# Altium PCB pcb.PcbDoc (part 1 of 2)
Units mil, origin at the board's own origin, x right, y up, seen from the top; angles counter-clockwise.
Board outline 3346.46 x 3937.01 mil, 2 copper layers (Top Layer, Bottom Layer), stack 62.179 mil thick; 275 components, 203 nets, 879 pads, 214 vias.
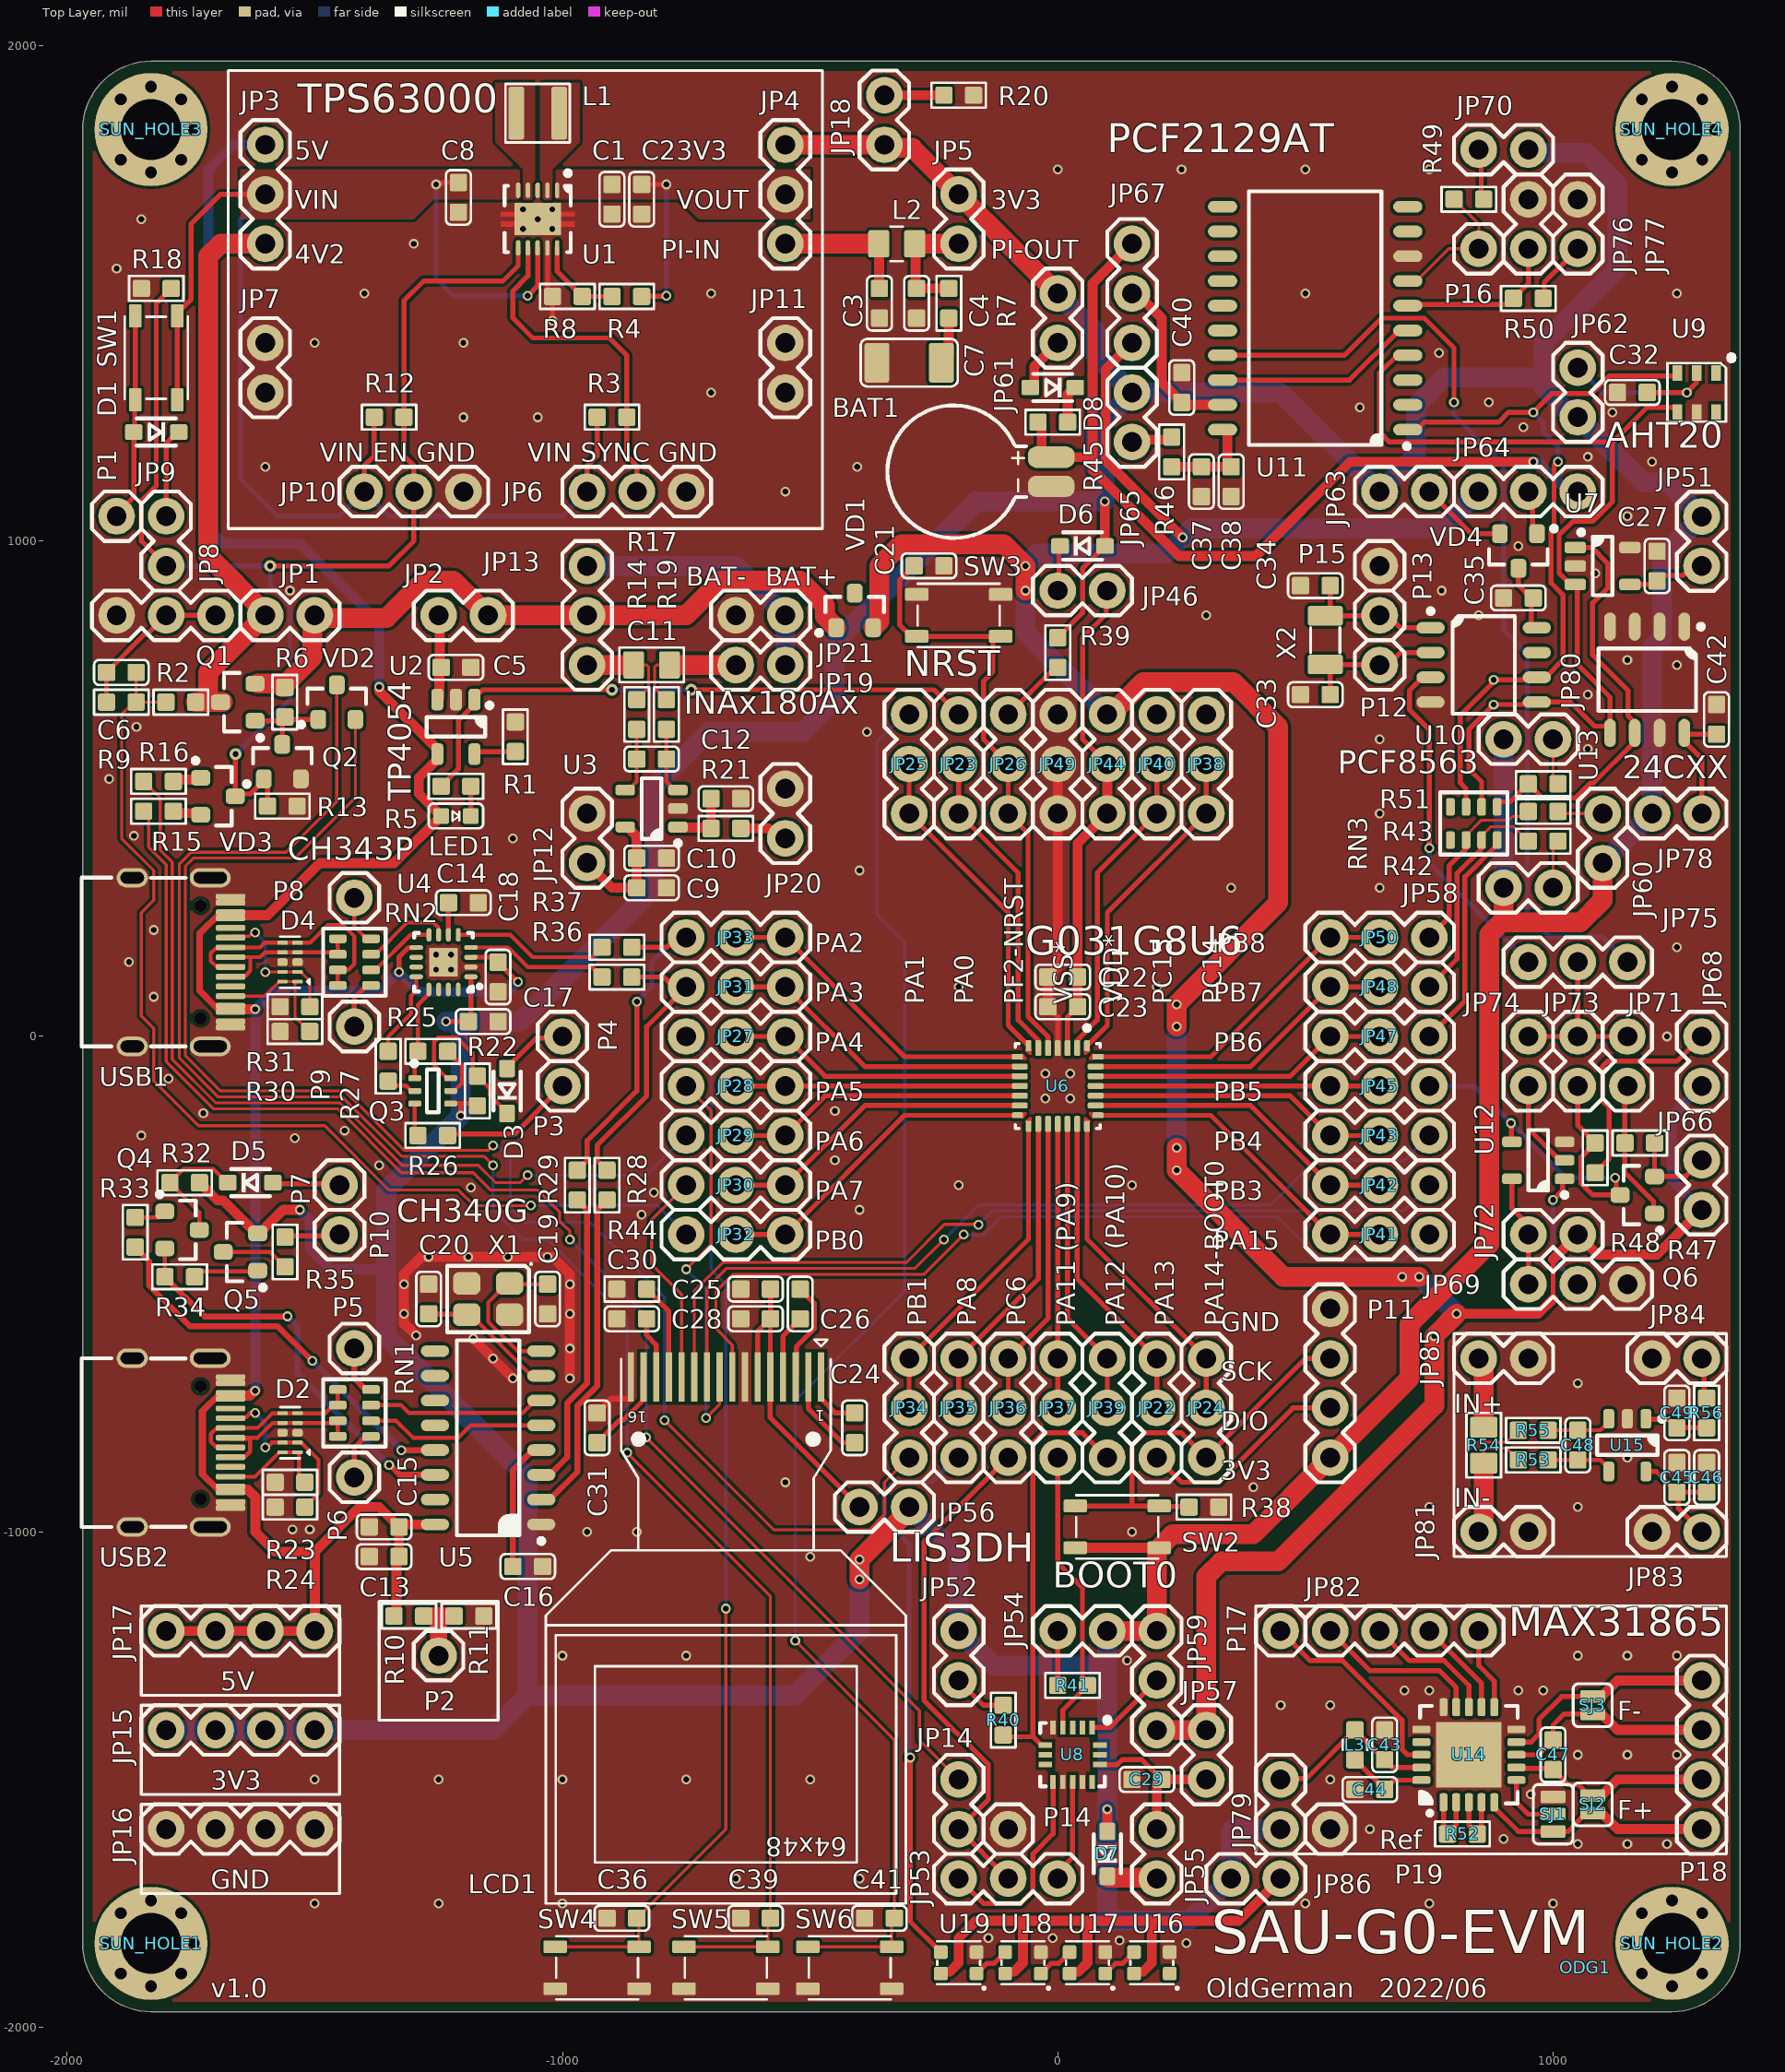
[diagram p0: Top Layer view]
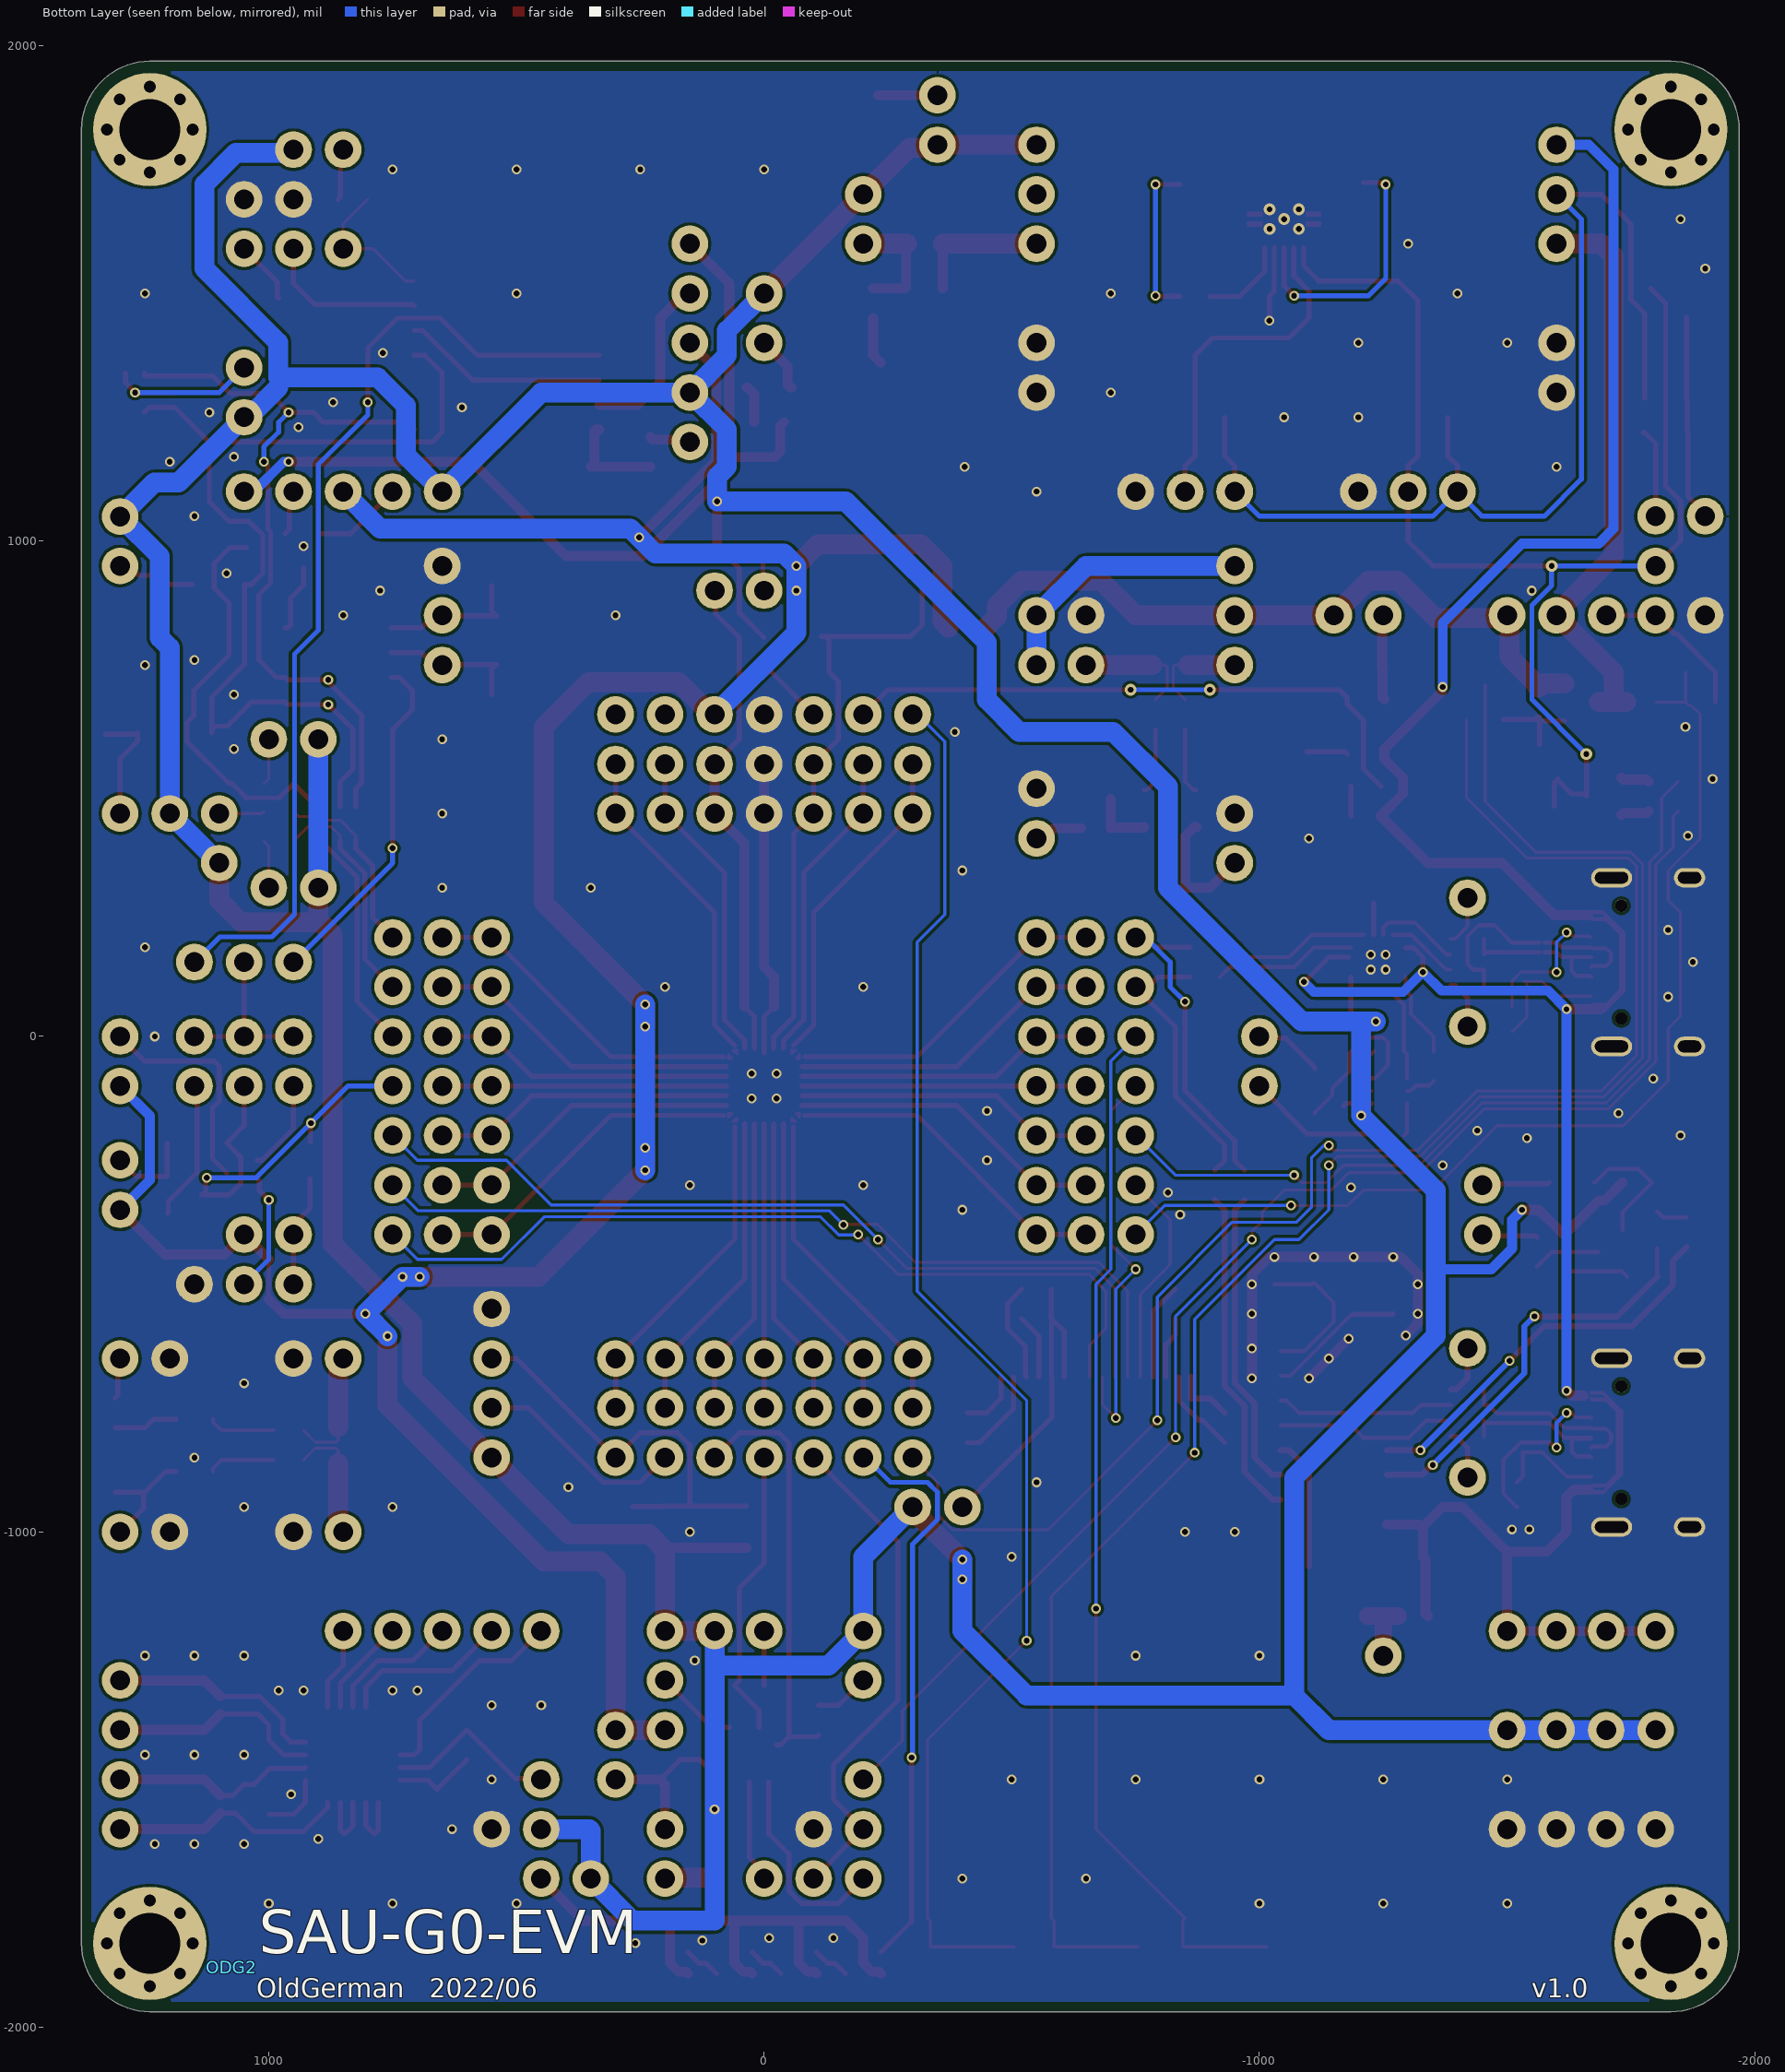
[diagram p1: Bottom Layer view, seen from below]
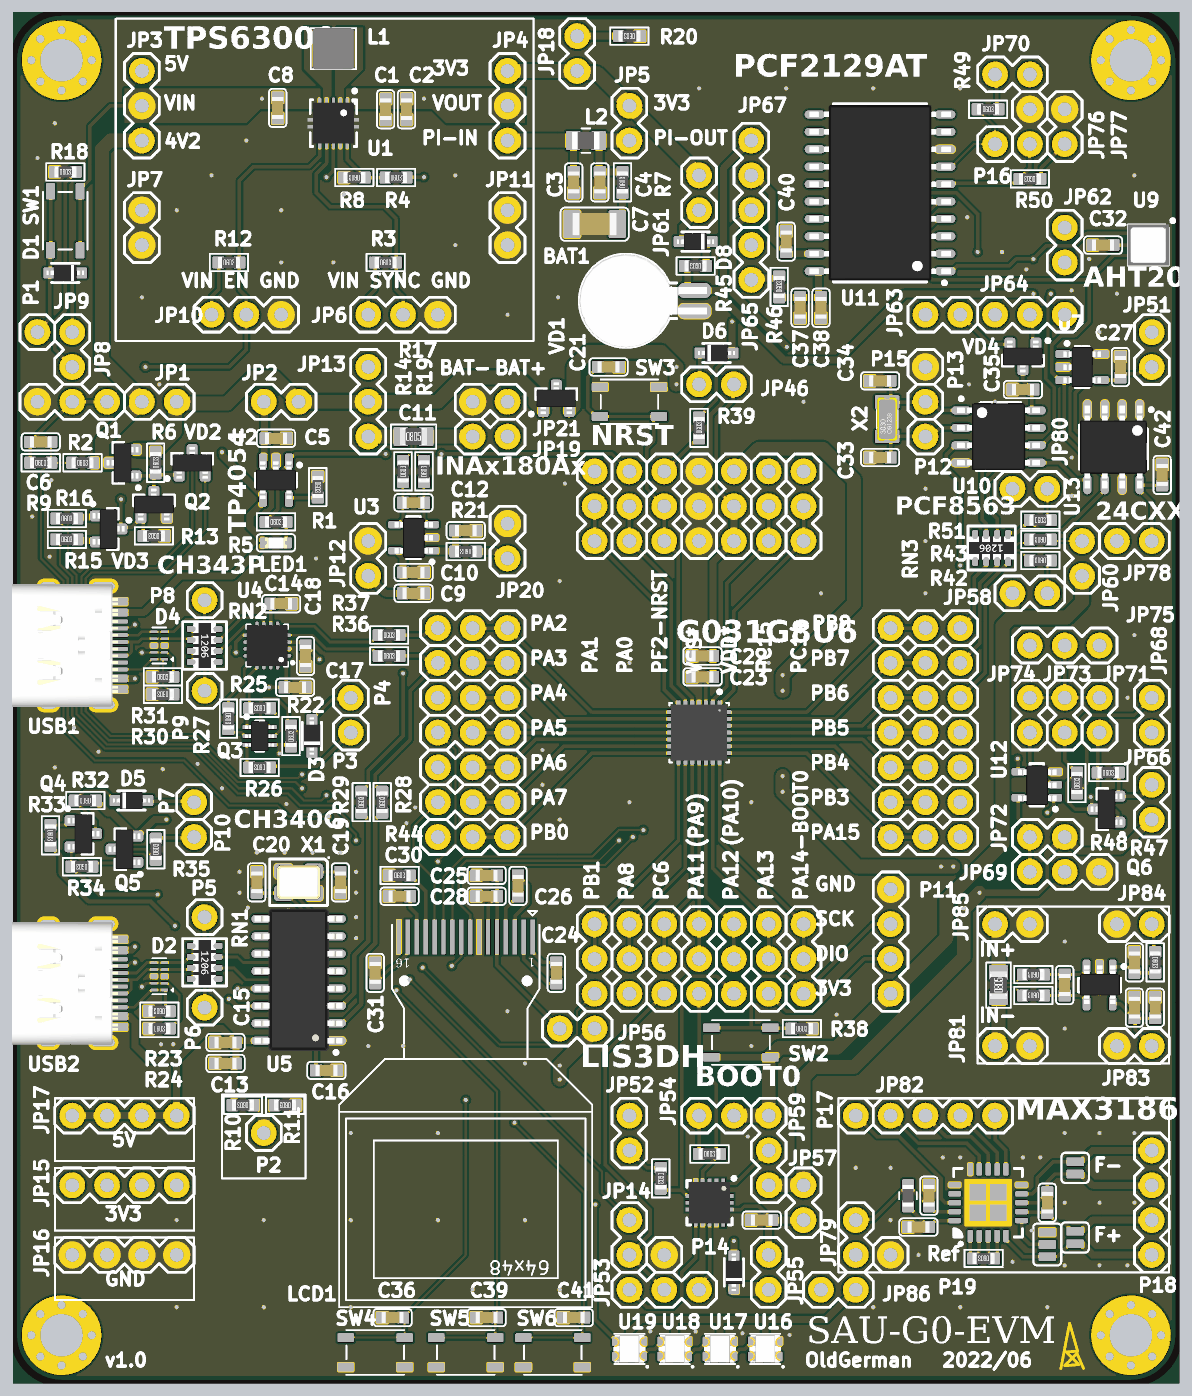
[diagram p3: 3D render of the assembled board from above, using the file's embedded part models]

## Layer stack, top to bottom
Top Solder: solder mask 0.4, Solder Resist, Dk 3.5
Top Layer: signal copper 1.4
Dielectric 2: prepreg 2.8, PP-006, Dk 4.1
Dielectric 1: dielectric 53.7795, FR-4, Dk 4.8
Dielectric 3: prepreg 2.8, PP-006, Dk 4.1
Bottom Layer: signal copper 1.4
Bottom Solder: solder mask 0.4, Solder Resist, Dk 3.5

## Board outline
-1830.71,-1968.5 cw(c-1830.71,-1830.71) -1968.5,-1830.71 -1968.5,1830.71 cw(c-1830.71,1830.71) -1830.71,1968.5 1240.16,1968.5 cw(c1240.16,1830.71) 1377.95,1830.71 1377.95,-1830.71 cw(c1240.16,-1830.71) 1240.16,-1968.5

## Design rules (kind name [scope] priority, off if disabled: settings)
BoardOutlineClearance [All] p1: gap=20 ignorepadtopadclearanceinfootprint=FALSE except(0: Arc-SplitContinuation Track-SplitContinuation SMDPad-SplitContinuation THPad-SplitContinuation Via-SplitContinuation Fill-SplitContinuation Poly-SplitContinuation Region-SplitContinuation Text-SplitContinuation)
Clearance [All] p1: gap=6 ignorepadtopadclearanceinfootprint=FALSE except(0: Arc-Text Arc-Hole Track-Text Track-Hole SMDPad-Text SMDPad-Hole THPad-Text THPad-Hole Via-Text Via-Hole Fill-Text Fill-Hole Poly-Text Poly-Hole Region-Text Region-Hole Text-Text Text-Hole)
HoleSize [All] p1: absolutevalues=TRUE maxlimit=200 minlimit=1 maxpercent=80.000 minpercent=20.000
MinimumSolderMaskSliver [All] p1: minsoldermaskwidth=0
PlaneClearance [All] p1: clearance=10
PlaneConnect [All] p1: planeconnectstyle=Direct reliefexpansion=10 reliefentries=4 reliefconductorwidth=10 reliefairgap=10
PolygonConnect [All] p1: connectstyle=Direct reliefconductorwidth=10 reliefentries=4 polygonreliefangle="90 Angle" airgapwidth=10
RoutingVias [All] p1: holewidth=11.81 width=23.62 viastyle="Through Hole" minholewidth=11.81 minwidth=23.62 maxholewidth=196.85 maxwidth=196.85
SilkToSilkClearance [All] p1: silktosilkclearance=0
SilkToSolderMaskClearance [IsPad] p1: minsilkscreentomaskgap=0 clearancetoexposedcopper=TRUE
SolderMaskExpansion [All] p1: expansion=2
Width [All] p1: maxlimit=100 minlimit=6 preferedwidth=10
24 further rules are at their usual default settings.

## Components (designator, comment, footprint, x,y, rotation, side; value= is the part's Value field where it differs from the comment)
BAT1 "BAT" MS621FE-FL11E -210,1140 r0 top
C1 "10uF" C0603 -900,1690 r270 top value=0.1u
C2 "10uF" C0603 -840,1690 r270 top value=0.1u
C3 "10nF" C0603 -360,1480 r90 top value=0.1u
C4 "10uF" C0603 -285,1480 r270 top value=0.1u
C5 "1uF" C0603 -1215,745 r0 top value=0.1u
C6 "0.1uF" C0603 -1890.51,734.8 r180 top value=0.1u
C7 "47uF" C1206 -300,1360 r180 top value=0.1u
C8 "10uF" C0603 -1209.99,1693.79 r270 top value=0.1u
C9 "1uF" C0603 -820,300 r0 top value=0.1u
C10 "100nF" C0603 -820,360 r0 top value=0.1u
C11 "100nF" C0603 -820,560 r180 top value=0.1u
C12 "100nF" C0603 -670,480 r0 top value=0.1u
C13 "1uF" C0603 -1360,-1050 r0 top value=0.1u
C14 "100nF" C0603 -1200,270 r0 top value=0.1u
C15 "100nF" C0603 -1360,-990 r0 top value=0.1u
C16 "100nF" C0603 -1070,-1070 r0 top value=0.1u
C17 "100nF" C0603 -1160,30 r180 top value=0.1u
C18 "100nF" C0603 -1130,120 r90 top value=0.1u
C19 "22pF" C0603 -1030,-530 r90 top value=0.1u
C20 "22pF" C0603 -1270,-530 r270 top value=0.1u
C21 "100nF" C0603 -260,950 r0 top value=0.1u
C22 "4.7uF" C0603 10,120 r180 top value=0.1u
C23 "100nF" C0603 10,60 r180 top value=0.1u
C24 "1uF" C0603 -410,-790 r270 top value=0.1u
C25 "4.7uF" C0603 -610,-510 r180 top value=0.1u
C26 "1uF" C0603 -520,-540 r270 top value=0.1u
C27 "100nF" C0603 1210,949.68 r90 top value=0.1u
C28 "100nF" C0603 -610,-570 r0 top value=0.1u
C29 "10uF" C0603 180,-1500 r180 top value=0.1u
C30 "4.7uF" C0603 -860,-570 r180 top value=0.1u
C31 "2.2uF" C0603 -930,-790 r90 top value=0.1u
C32 "100nF" C0603 1160,1300 r180 top value=0.1u
C33 "6pF" C0603 520,690 r0 top value=0.1u
C34 "NP" C0603 520,910 r0 top value=0.1u
C35 "100nF" C0603 930,885.16 r180 top value=0.1u
C36 "100nF" C0603 -880,-1780 r0 top value=0.1u
C37 "6.8uF" C0603 290,1120 r270 top value=0.1u
C38 "100nF" C0603 350,1120 r270 top value=0.1u
C39 "100nF" C0603 -610,-1780 r0 top value=0.1u
C40 "100nF" C0603 250.32,1310 r90 top value=0.1u
C41 "100nF" C0603 -360,-1780 r0 top value=0.1u
C42 "100nF" C0603 1330,640 r90 top value=0.1u
C43 "100nF" C0603 660,-1430 r90 top value=0.1u
C44 "100nF" C0603 630,-1520 r180 top value=0.1u
C45 "1uF" C0603 1250,-890 r90 top value=0.1u
C46 "100nF" C0603 1310,-890 r90 top value=0.1u
C47 "100nF" C0603 1000,-1450 r90 top value=0.1u
C48 "100nF" C0603 1050,-825 r270 top value=0.1u
C49 "100nF" C0603 1250,-760 r90 top value=0.1u
D1 "B5819WS" SOD-323 -1820,1220 r0 top
D2 "PESD1LVDS" DFN2510-10_SOT1165-1 -1550,-800 r90 top
D3 "1N4148WS" SOD-323 -1111.81,-110 r270 top
D4 "PESD1LVDS" DFN2510-10_SOT1165-1 -1550,150 r90 top
D5 "DIODE" SOD-323 -1630,-295 r180 top
D6 "B5819WS" SOD-323 50,990 r180 top
D7 "B5819WS" SOD-323 100,-1650 r270 top
D8 "B5819WS" SOD-323 -10,1310 r0 top
JP1 "CONN_X2_DOT" 2.54mm_Male_x2 -1500,850 r180 top
JP2 "CONN_X2_DOT" 2.54mm_Male_x2 -1250,850 r0 top
JP3 "CONN_X3_DOT" 2.54mm_Male_x3 -1600,1600 r90 top
JP4 "CONN_X3_DOT" 2.54mm_Male_x3 -550,1800 r270 top
JP5 "CONN_X2_DOT" 2.54mm_Male_x2 -200,1600 r90 top
JP6 "CONN_X3_DOT" 2.54mm_Male_x3 -950,1100 r0 top
JP7 "CONN_X2_DOT" 2.54mm_Male_x2 -1600,1300 r90 top
JP8 "CONN_X3_DOT" 2.54mm_Male_x3 -1700,850 r180 top
JP9 "CONN_X2_DOT" 2.54mm_Male_x2 -1800,1050 r270 top
JP10 "CONN_X3_DOT" 2.54mm_Male_x3 -1400,1100 r0 top
JP11 "CONN_X2_DOT" 2.54mm_Male_x2 -550,1300 r90 top
JP12 "CONN_X2_DOT" 2.54mm_Male_x2 -950,450 r270 top
JP13 "CONN_X3_DOT" 2.54mm_Male_x3 -950,750 r90 top
JP14 "CONN_X2_DOT" 2.54mm_Male_x2 -200,-1600 r90 top
JP15 "CONN_X4_DOT" 2.54mm_Male_x4 -1800,-1400 r0 top
JP16 "CONN_X4_DOT" 2.54mm_Male_x4 -1800,-1600 r0 top
JP17 "CONN_X4_DOT" 2.54mm_Male_x4 -1800,-1200 r0 top
JP18 "CONN_X2_DOT" 2.54mm_Male_x2 -350,1800 r90 top
JP19 "CONN_X2_DOT" 2.54mm_Male_x2 -650,750 r0 top
JP20 "CONN_X2_DOT" 2.54mm_Male_x2 -550,400 r90 top
JP21 "CONN_X2_DOT" 2.54mm_Male_x2 -550,850 r180 top
JP22 "CONN_X3_DOT" 2.54mm_Male_x3 200,-850 r90 top locked
JP23 "CONN_X3_DOT" 2.54mm_Male_x3 -200,450 r90 top
JP24 "CONN_X3_DOT" 2.54mm_Male_x3 300,-850 r90 top locked
JP25 "CONN_X3_DOT" 2.54mm_Male_x3 -300,450 r90 top
JP26 "CONN_X3_DOT" 2.54mm_Male_x3 -100,650 r270 top
JP27 "CONN_X3_DOT" 2.54mm_Male_x3 -550,0 r180 top locked
JP28 "CONN_X3_DOT" 2.54mm_Male_x3 -550,-100 r180 top locked
JP29 "CONN_X3_DOT" 2.54mm_Male_x3 -550,-200 r180 top locked
JP30 "CONN_X3_DOT" 2.54mm_Male_x3 -550,-300 r180 top locked
JP31 "CONN_X3_DOT" 2.54mm_Male_x3 -750,100 r0 top locked
JP32 "CONN_X3_DOT" 2.54mm_Male_x3 -550,-400 r180 top locked
JP33 "CONN_X3_DOT" 2.54mm_Male_x3 -750,200 r0 top locked
JP34 "CONN_X3_DOT" 2.54mm_Male_x3 -300,-650 r270 top locked
JP35 "CONN_X3_DOT" 2.54mm_Male_x3 -200,-650 r270 top locked
JP36 "CONN_X3_DOT" 2.54mm_Male_x3 -100,-650 r270 top locked
JP37 "CONN_X3_DOT" 2.54mm_Male_x3 0,-650 r270 top locked
JP38 "CONN_X3_DOT" 2.54mm_Male_x3 300,650 r270 top
JP39 "CONN_X3_DOT" 2.54mm_Male_x3 100,-650 r270 top locked
JP40 "CONN_X3_DOT" 2.54mm_Male_x3 200,650 r270 top
JP41 "CONN_X3_DOT" 2.54mm_Male_x3 550,-400 r0 top locked
JP42 "CONN_X3_DOT" 2.54mm_Male_x3 550,-300 r0 top locked
JP43 "CONN_X3_DOT" 2.54mm_Male_x3 550,-200 r0 top locked
JP44 "CONN_X3_DOT" 2.54mm_Male_x3 100,650 r270 top
JP45 "CONN_X3_DOT" 2.54mm_Male_x3 550,-100 r0 top locked
JP46 "CONN_X2_DOT" 2.54mm_Male_x2 100,900 r180 top
JP47 "CONN_X3_DOT" 2.54mm_Male_x3 550,0 r0 top locked
JP48 "CONN_X3_DOT" 2.54mm_Male_x3 550,100 r0 top locked
JP49 "CONN_X3_DOT" 2.54mm_Male_x3 0,650 r270 top
JP50 "CONN_X3_DOT" 2.54mm_Male_x3 550,200 r0 top locked
JP51 "CONN_X2_DOT" 2.54mm_Male_x2 1300,1049.68 r270 top
JP52 "CONN_X2_DOT" 2.54mm_Male_x2 -200,-1300 r90 top
JP53 "CONN_X3_DOT" 2.54mm_Male_x3 -200,-1700 r0 top
JP54 "CONN_X2_DOT" 2.54mm_Male_x2 0,-1200 r0 top
JP55 "CONN_X2_DOT" 2.54mm_Male_x2 200,-1700 r90 top
JP56 "CONN_X2_DOT" 2.54mm_Male_x2 -300,-950 r180 top
JP57 "CONN_X2_DOT" 2.54mm_Male_x2 300,-1400 r270 top
JP58 "CONN_X2_DOT" 2.54mm_Male_x2 1000,300 r180 top
JP59 "CONN_X3_DOT" 2.54mm_Male_x3 200,-1200 r270 top
JP60 "CONN_X2_DOT" 2.54mm_Male_x2 1100,450 r270 top
JP61 "CONN_X2_DOT" 2.54mm_Male_x2 0,1500 r270 top
JP62 "CONN_X2_DOT" 2.54mm_Male_x2 1050,1250 r90 top
JP63 "CONN_X2_DOT" 2.54mm_Male_x2 650,1100 r0 top
JP64 "CONN_X3_DOT" 2.54mm_Male_x3 850,1100 r0 top
JP65 "CONN_X2_DOT" 2.54mm_Male_x2 150,1300 r270 top
JP66 "CONN_X2_DOT" 2.54mm_Male_x2 1300,-350 r90 top
JP67 "CONN_X3_DOT" 2.54mm_Male_x3 150,1400 r90 top
JP68 "CONN_X2_DOT" 2.54mm_Male_x2 1300,0 r270 top
JP69 "CONN_X3_DOT" 2.54mm_Male_x3 1150,-500 r180 top
JP70 "CONN_X2_DOT" 2.54mm_Male_x2 950,1790 r180 top
JP71 "CONN_X2_DOT" 2.54mm_Male_x2 1150,0 r270 top
JP72 "CONN_X2_DOT" 2.54mm_Male_x2 950,-400 r0 top
JP73 "CONN_X2_DOT" 2.54mm_Male_x2 1050,0 r270 top
JP74 "CONN_X2_DOT" 2.54mm_Male_x2 950,0 r270 top
JP75 "CONN_X3_DOT" 2.54mm_Male_x3 1150,150 r180 top
JP76 "CONN_X2_DOT" 2.54mm_Male_x2 950,1590 r90 top
JP77 "CONN_X2_DOT" 2.54mm_Male_x2 1050,1590 r90 top
JP78 "CONN_X2_DOT" 2.54mm_Male_x2 1200,450 r0 top
JP79 "CONN_X2_DOT" 2.54mm_Male_x2 450,-1600 r90 top
JP80 "CONN_X2_DOT" 2.54mm_Male_x2 1000,600 r180 top
JP81 "CONN_X2_DOT" 2.54mm_Male_x2 950,-1000 r180 top
JP82 "CONN_X4_DOT" 2.54mm_Male_x4 850,-1200 r180 top
JP83 "CONN_X2_DOT" 2.54mm_Male_x2 1200,-1000 r0 top
JP84 "CONN_X2_DOT" 2.54mm_Male_x2 1300,-650 r180 top
JP85 "CONN_X2_DOT" 2.54mm_Male_x2 850,-650 r0 top
JP86 "CONN_X2_DOT" 2.54mm_Male_x2 350,-1700 r0 top
L1 "Inductor_power" IND-30301X -1049.99,1863.79 r180 top
L2 "10uH" FER0805 -325,1600 r0 top
L3 "10uH" FER0603 600,-1430 r90 top
LCD1 "OLED_SPI_16PIN" oled_64x48_0.66_SSD1306_TOP_straight_no_3d -670,-1750 r180 top locked
LED1 "LED" LED0603_WHITE -1215,445 r0 top value=color?
ODG1 "ODG_LOGO" ODG_LOGO_soldermask 1065,-1880 r0 top
ODG2 "ODG_LOGO" ODG_LOGO_soldermask 1075,-1880 r180 bottom
P1 "CONN_X1_DOT" 2.54mm_Male_x1 -1900,1050 r0 top
P2 "CONN_X1_DOT" 2.54mm_Male_x1 -1250,-1250 r0 top
P3 "CONN_X1_DOT" 2.54mm_Male_x1 -1000,-100 r90 top
P4 "CONN_X1_DOT" 2.54mm_Male_x1 -1000,0 r90 top
P5 "CONN_X1_DOT" 2.54mm_Male_x1 -1420,-630 r90 top
P6 "CONN_X1_DOT" 2.54mm_Male_x1 -1420,-890 r90 top
P7 "CONN_X1_DOT" 2.54mm_Male_x1 -1450,-300 r90 top
P8 "CONN_X1_DOT" 2.54mm_Male_x1 -1420,280 r0 top
P9 "CONN_X1_DOT" 2.54mm_Male_x1 -1420,20 r0 top
P10 "CONN_X1_DOT" 2.54mm_Male_x1 -1450,-400 r90 top
P11 "CONN_X4" 2.54mm_Male_x4 550,-550 r270 top
P12 "CONN_X1_DOT" 2.54mm_Male_x1 650,750 r0 top
P13 "CONN_X1_DOT" 2.54mm_Male_x1 650,850 r0 top
P14 "CONN_X1_DOT" 2.54mm_Male_x1 -100,-1600 r0 top
P15 "CONN_X1_DOT" 2.54mm_Male_x1 650,950 r0 top
P16 "CONN_X1_DOT" 2.54mm_Male_x1 850,1590 r0 top
P17 "CONN_X1_DOT" 2.54mm_Male_x1 450,-1200 r0 top